# Allegro board 8880F5-0823_1_redwan.brd (continued)
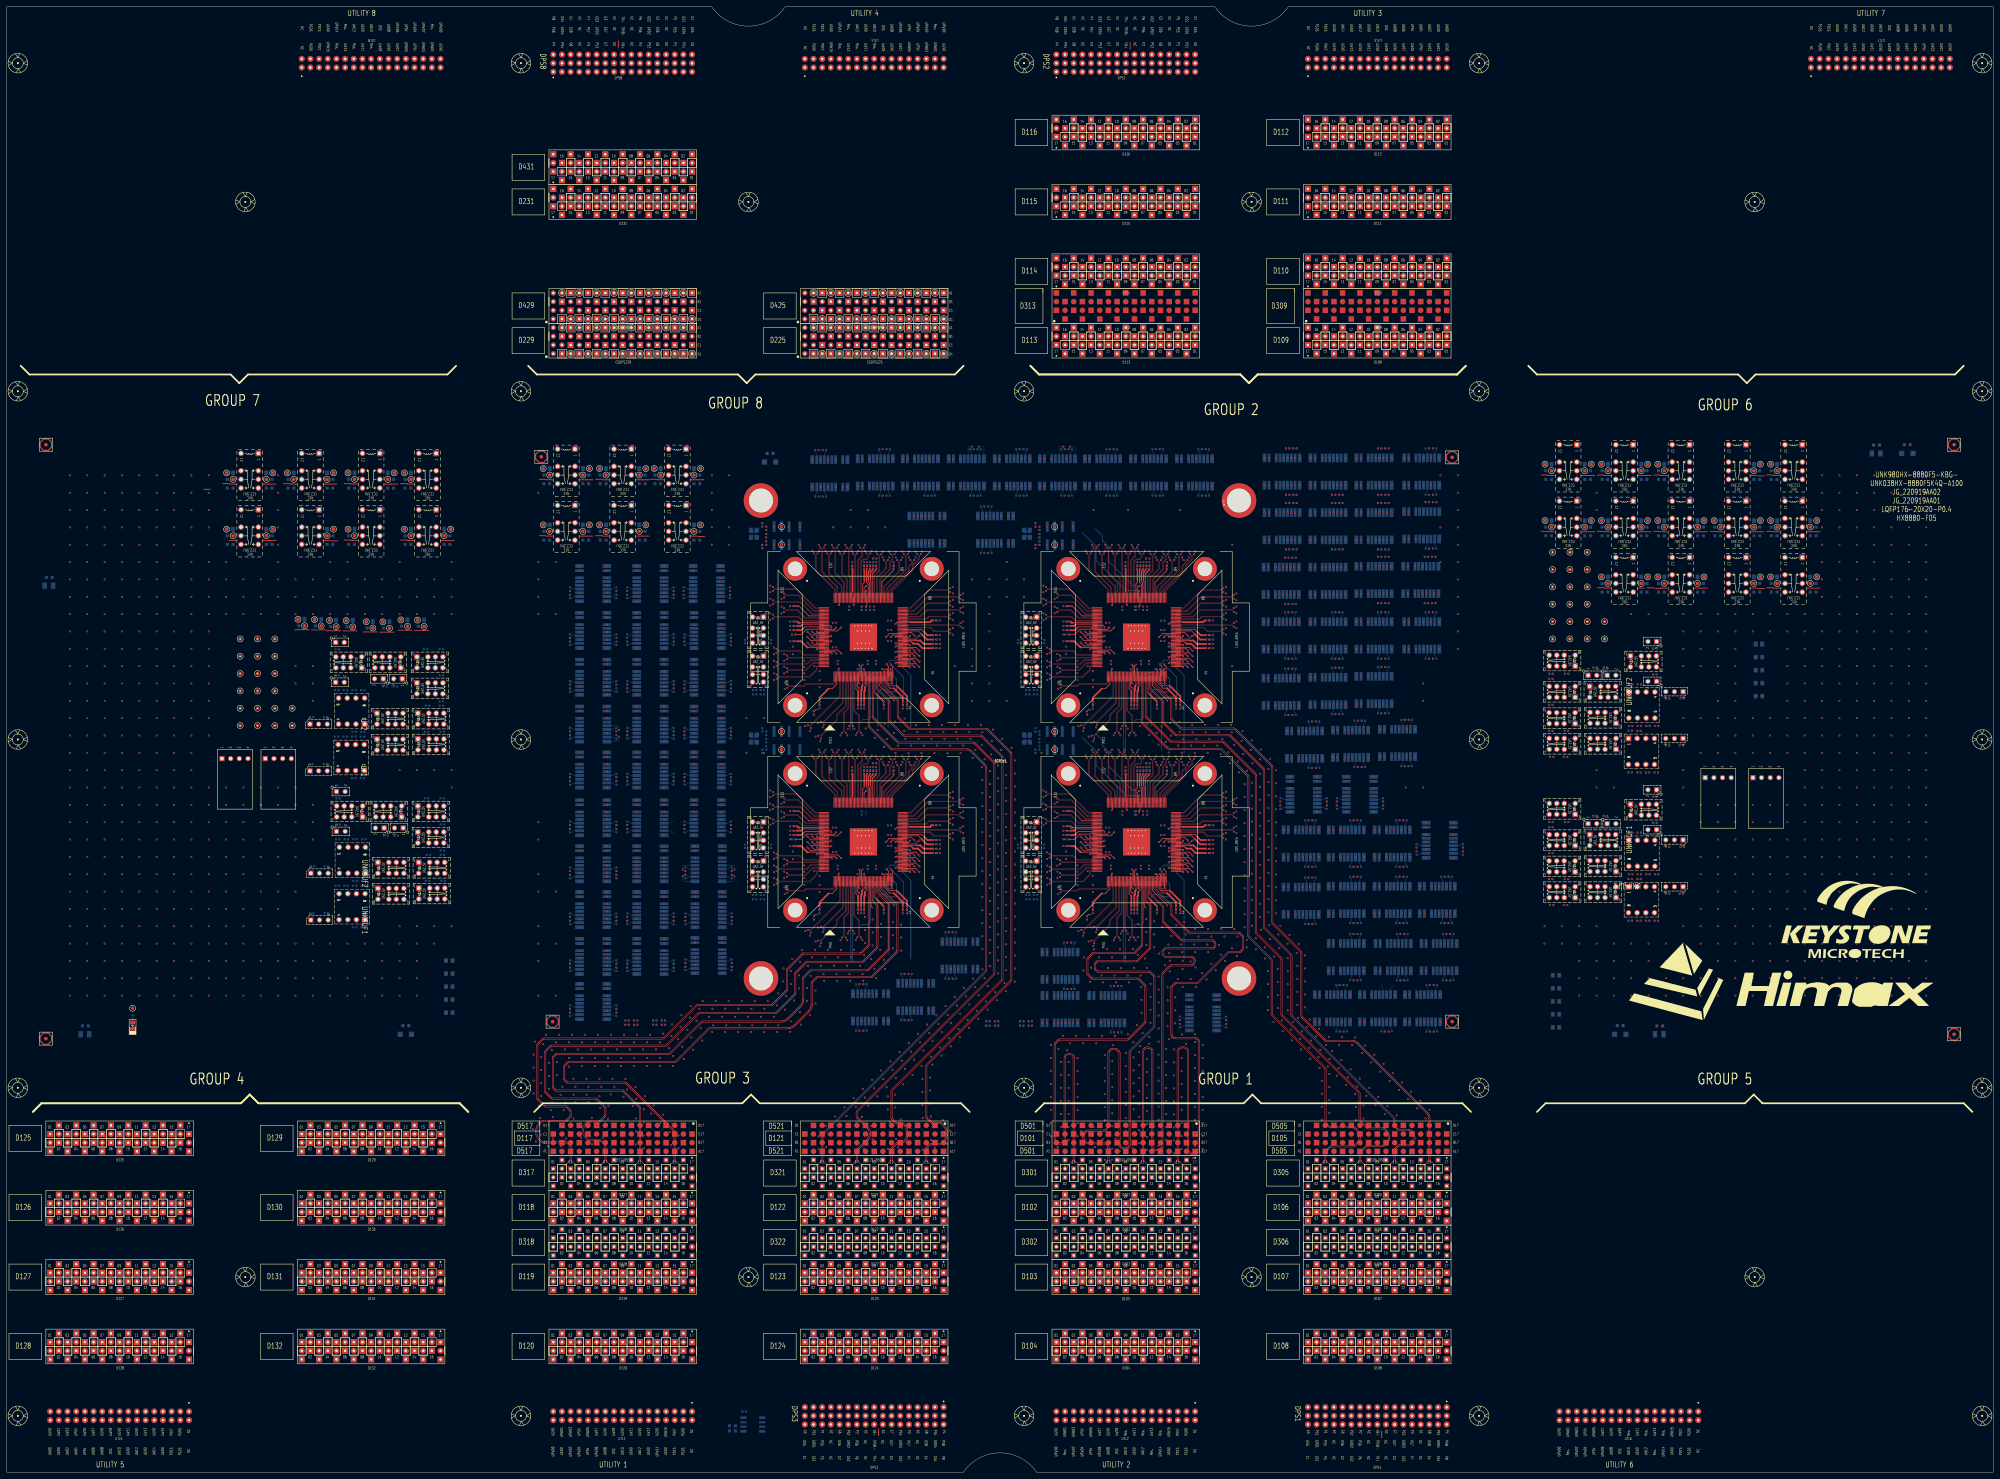
[diagram p0: board, top side]
## Placement (name value [footprint] x y rotation side) (continued)
FD8  -  [FD_040_V2]  156.51 297.46 180 bottom
FD9  -  [FD_040_V2]  570.23 128.27 180 bottom
FD10  -  [FD_040_V2]  570.23 300.99 0 top
FD11  -  [FD_040_V2]  570.23 300.99 180 bottom
FD12  -  [FD_040_V2]  11.43 300.99 0 top
FD13  -  [FD_040_V2]  11.43 300.99 180 bottom
FD14  -  [FD_040_V2]  11.43 127 0 top
FD15  -  [FD_040_V2]  11.43 127 180 bottom
FD16  -  [FD_040_V2]  570.23 128.27 0 top
GND1  TP01  [TP_040_T]  173.57 294 0 top
GND2  TP01  [TP_040_T]  187.11 294 180 top
GND3  TP01  [TP_040_T]  116.42 292.74 0 top
GND4  TP01  [TP_040_T]  157.06 294 0 top
GND5  TP01  [TP_040_T]  170.6 294 180 top
GND6  TP01  [TP_040_T]  173.57 277.5 0 top
GND7  TP01  [TP_040_T]  203.11 294 180 top
GND8  TP01  [TP_040_T]  189.58 294 0 top
GND9  TP01  [TP_040_T]  170.6 277.5 180 top
GND10  TP01  [TP_040_T]  99.36 249.46 0 top
GND11  TP01  [TP_040_T]  94.49 249.52 0 top
GND12  TP01  [TP_040_T]  203.11 277.5 180 top
GND13  TP01  [TP_040_T]  187.11 277.5 180 top
GND14  TP01  [TP_040_T]  157.06 277.5 0 top
HX8880-F05  REF-CODE-CHIP  [CHIP_CODE]  559.05 279.65 0 top
J1  HDR-2X1-M  [JP_2P_100]  110.24 232.41 270 bottom
J2  HDR-3X1-M  [JP_3P_100]  88.76 205.43 90 bottom
J3  HDR-3X1-M  [JP_3P_100]  88.76 219.15 90 bottom
J4  HDR-2X1-M  [JP_2P_100]  96.27 231.39 90 bottom
J5  HDR-2X1-M  [JP_2P_100]  96.27 243.08 90 bottom
JG_220919AA01  REF-CODE-SOCKET  [SOCKET_CODE]  559.05 284.73 0 top
JG_220919AA02  REF-CODE-SOCKET  [SOCKET_CODE]  559.05 287.27 0 top
K1  G6K-2F-RF-T-5V-SPECIAL  [RL_G6K2FRT_8P_5V_GR]  171.7 219.2 270 bottom
K2  G6K-2F-RF-T-5V-SPECIAL  [RL_G6K2FRT_8P_5V_GR]  205.23 232.92 270 bottom
K3  G6K-2F-RF-T-5V-SPECIAL  [RL_G6K2FRT_8P_5V_GR]  294.39 292.86 0 bottom
K4  G6K-2F-RF-T-5V-SPECIAL  [RL_G6K2FRT_8P_5V_GR]  307.59 292.86 0 bottom
K5  G6K-2F-RF-T-5V-SPECIAL  [RL_G6K2FRT_8P_5V_GR]  347.73 292.86 0 bottom
K6  G6K-2F-RF-T-5V-SPECIAL  [RL_G6K2FRT_8P_5V_GR]  334.26 292.86 0 bottom
K7  G6K-2F-RF-T-5V-SPECIAL  [RL_G6K2FRT_8P_5V_GR]  320.8 292.86 0 bottom
K8  G6K-2F-RF-T-5V-SPECIAL  [RL_G6K2FRT_8P_5V_GR]  267.46 292.86 0 bottom
K9  UA2-5NJ-A-V3  [RL_NECUA2_5V_V3]  219.96 235.46 90 bottom
K10  UA2-5NJ-A-V3  [RL_NECUA2_5V_V3]  111.76 237.24 0 bottom
K11  G6K-2F-RF-T-5V-SPECIAL  [RL_G6K2FRT_8P_5V_GR]  289.56 276.1 180 bottom
K12  UA2-5NJ-A-V3  [RL_NECUA2_5V_V3]  219.96 246.89 90 bottom
K13  UA2-5NJ-A-V3  [RL_NECUA2_5V_V3]  123.7 229.62 180 bottom
K14  UA2-5NJ-A-V3  [RL_NECUA2_5V_V3]  112.01 220.73 180 bottom
K15  UA2-5NJ-A-V3  [RL_NECUA2_5V_V3]  123.99 213.19 180 bottom
K16  G6K-2F-RF-T-5V-SPECIAL  [RL_G6K2FRT_8P_5V_GR]  241.05 292.61 180 bottom
K17  G6K-2F-RF-T-5V-SPECIAL  [RL_G6K2FRT_8P_5V_GR]  254.25 292.86 0 bottom
K18  UB2-5NU-B  [RL_NECUB2_5V]  228.45 274.32 0 bottom
K19  UA2-5NJ-A-V3  [RL_NECUA2_5V_V3]  112.01 213.11 180 bottom
K20  UA2-5NJ-A-V3  [RL_NECUA2_5V_V3]  123.95 220.73 180 bottom
K21  G6K-2F-RF-T-5V-SPECIAL  [RL_G6K2FRT_8P_5V_GR]  280.92 292.86 0 bottom
K22  G6K-2F-RF-T-5V-SPECIAL  [RL_G6K2FRT_8P_5V_GR]  205.23 246.63 270 bottom
K23  G6K-2F-RF-T-5V-SPECIAL  [RL_G6K2FRT_8P_5V_GR]  188.47 232.92 270 bottom
K24  G6K-2F-RF-T-5V-SPECIAL  [RL_G6K2FRT_8P_5V_GR]  171.7 232.92 270 bottom
K25  G6K-2F-RF-T-5V-SPECIAL  [RL_G6K2FRT_8P_5V_GR]  204.98 260.35 270 bottom
K26  G6K-2F-RF-T-5V-SPECIAL  [RL_G6K2FRT_8P_5V_GR]  188.47 246.63 270 bottom
K27  G6K-2F-RF-T-5V-SPECIAL  [RL_G6K2FRT_8P_5V_GR]  171.7 246.63 270 bottom
K28  UA2-5NJ-A-V3  [RL_NECUA2_5V_V3]  100.33 237.24 0 bottom
K29  G6K-2F-RF-T-5V-SPECIAL  [RL_G6K2FRT_8P_5V_GR]  171.7 260.35 270 bottom
K30  G6K-2F-RF-T-5V-SPECIAL  [RL_G6K2FRT_8P_5V_GR]  188.47 260.35 270 bottom
K31  EC2-5NJ-A  [RL_NECEC2_10P_5V]  196.34 276.86 90 bottom
K33  NC/UA2-5NJ-A-V3  [RL_NECUA2_5V_V3]  123.7 237.24 180 bottom
K34  EC2-5NJ-A  [RL_NECEC2_10P_5V]  180.34 293.37 90 bottom
K36  EC2-5NJ-A  [RL_NECEC2_10P_5V]  123.19 292.1 90 bottom
K37  EC2-5NJ-A  [RL_NECEC2_10P_5V]  163.83 293.37 90 bottom
K39  EC2-5NJ-A  [RL_NECEC2_10P_5V]  180.34 276.86 90 bottom
K40  EC2-5NJ-A  [RL_NECEC2_10P_5V]  196.34 293.37 90 bottom
K42  EC2-5NJ-A  [RL_NECEC2_10P_5V]  163.83 276.86 90 bottom
K43  G6K-2F-RF-T-5V-SPECIAL  [RL_G6K2FRT_8P_5V_GR]  269.49 276.1 180 bottom
LD902  LDG-2-S8  [LED_0805]  36.83 130.81 90 top
LOGO1  -  [LOGO_KT_KSMT]  538.48 154.94 0 top
LOGO2  LOGO_HX_Himax  [LOGO_HX_HIMAX]  518.16 138.43 0 top
LQFP176-20X20-P0.4  REF-CODE-CHIP  [CHIP_CODE]  559.05 282.19 0 top
NOREF  -  []  254.29 265.56 90 top
NOREF#2  -  []  410.52 273.37 0 top
NOREF#3  -  []  300.36 188.49 0 top
NOREF#4  -  []  327.57 204.65 90 top
NOREF#5  -  []  326.17 131.69 90 top
NOREF#6  -  []  237.83 197.63 0 top
NOREF#7  -  []  331.22 253.63 0 top
NOREF#8  -  []  462.06 277.31 90 top
NOREF#9  -  []  384.36 131.89 0 top
NOREF#10  -  []  165.8 131.57 90 top
NOREF#11  -  []  261.82 290.13 90 top
NOREF#12  -  []  346.27 129.42 90 top
NOREF#13  -  []  165.8 240.28 0 top
NOREF#14  -  []  351.34 189.5 0 top
NOREF#15  -  []  250.73 205.55 0 top
NOREF#16  -  []  475.04 239.09 0 top
NOREF#17  -  []  106.03 217.88 90 top
NOREF#18  -  []  351.04 244.23 0 top
NOREF#19  -  []  308.36 202.16 45 top
NOREF#20  -  []  477.24 239.09 0 top
NOREF#21  -  []  251.86 192.43 90 top
NOREF#22  -  []  385.93 178.25 0 top
NOREF#23  -  []  398.65 241.11 0 top
NOREF#24  -  []  327.89 204.35 90 top
NOREF#25  -  []  249.15 296.86 0 top
NOREF#26  -  []  230.73 189.2 0 top
NOREF#27  -  []  249.6 224.74 90 top
NOREF#28  -  []  301.56 250.49 0 top
NOREF#29  -  []  175.8 174.36 90 top
NOREF#30  -  []  256.77 163.82 90 top
NOREF#31  -  []  175.7 250.38 90 top
NOREF#32  -  []  415.08 139.89 0 top
NOREF#33  -  []  552.76 299.72 0 top
NOREF#34  -  []  167.7 255.15 0 top
NOREF#35  -  []  108.27 178.64 0 top
NOREF#36  -  []  418.37 241.16 90 top
NOREF#37  -  []  310.43 249.52 0 top
NOREF#38  -  []  339.65 264.65 90 top
NOREF#39  -  []  168.13 132.17 90 top
NOREF#40  -  []  184.47 145.93 0 top
NOREF#41  -  []  184.47 173.11 90 top
NOREF#42  -  []  251.05 204.65 90 top
NOREF#43  -  []  192.47 257.6 90 top
NOREF#44  -  []  155.57 272.6 90 top
NOREF#45  -  []  333.33 181.33 90 top
NOREF#46  -  []  221.56 231.46 0 top
NOREF#47  -  []  309.21 246.34 0 top
NOREF#48  -  []  351.34 183.91 0 top
NOREF#49  -  []  318.32 131.64 0 top
NOREF#50  -  []  377.23 289.12 0 top
NOREF#51  -  []  272.25 242.96 0 top
NOREF#52  -  []  404.15 241.11 0 top
NOREF#53  -  []  319.15 296.86 0 top
NOREF#54  -  []  96.58 195.15 0 top
NOREF#55  -  []  201.49 176.66 90 top
NOREF#56  -  []  251.06 163.82 90 top
NOREF#57  -  []  128.05 271.33 90 top
NOREF#58  -  []  177.33 133.47 90 top
NOREF#59  -  []  238.3 224.74 90 top
NOREF#60  -  []  301.56 239.06 0 top
NOREF#61  -  []  405.17 131.89 0 top
NOREF#62  -  []  258.1 288.86 0 top
NOREF#63  -  []  384.17 163.39 90 top
NOREF#64  -  []  392.04 224.85 90 top
NOREF#65  -  []  408.37 258.64 90 top
NOREF#66  -  []  407.77 255.47 0 top
NOREF#67  -  []  393.19 222.95 90 top
NOREF#68  -  []  36.1 129.71 90 top
NOREF#69  -  []  230.73 187.93 0 top
NOREF#70  -  []  113.08 129.54 0 top
NOREF#71  -  []  396.28 146.93 90 top
NOREF#72  -  []  322.23 233.13 0 top
NOREF#73  -  []  221.87 295.91 0 top
NOREF#74  -  []  373.83 192.28 0 top
NOREF#75  -  []  84.04 287.84 90 top
NOREF#76  -  []  272.55 181.37 0 top
NOREF#77  -  []  182.57 212.85 90 top
NOREF#78  -  []  400.91 207.71 0 top
NOREF#79  -  []  334.29 265.55 0 top
NOREF#80  -  []  290.11 280.1 0 top
NOREF#81  -  []  405.5 241.11 90 top
NOREF#82  -  []  199.33 185.42 90 top
NOREF#83  -  []  371.48 224.6 0 top
NOREF#84  -  []  332.51 205.55 0 top
NOREF#85  -  []  302.71 132.91 90 top
NOREF#86  -  []  459.28 236.14 0 top
NOREF#87  -  []  468.01 222.58 0 top
NOREF#88  -  []  182.57 240.28 90 top
NOREF#89  -  []  373.93 281.11 0 top
NOREF#90  -  []  201.49 149.73 90 top
NOREF#91  -  []  250.17 163.82 90 top
NOREF#92  -  []  309.51 249.2 0 top
NOREF#93  -  []  115.36 235.64 0 top
NOREF#94  -  []  249.28 165.04 90 top
NOREF#95  -  []  352.24 184.86 90 top
NOREF#96  -  []  352.55 189.5 0 top
NOREF#97  -  []  481.96 273.87 90 top
NOREF#98  -  []  275.3 155.38 0 top
NOREF#99  -  []  412.62 241.11 0 top
NOREF#100  -  []  332.61 288.86 0 top
NOREF#101  -  []  393.19 271.21 90 top
NOREF#102  -  []  116.01 222.33 0 top
NOREF#103  -  []  321.82 227.13 90 top
NOREF#104  -  []  330.51 288.86 0 top
NOREF#105  -  []  385.32 161.49 90 top
NOREF#106  -  []  297.83 174.63 90 top
NOREF#107  -  []  465.81 171.53 0 top
NOREF#108  -  []  398.53 161.74 90 top
NOREF#109  -  []  372.72 178.25 0 top
NOREF#110  -  []  369.63 273.11 0 top
NOREF#111  -  []  416.03 179.42 90 top
NOREF#112  -  []  182.82 148.4 90 top
NOREF#113  -  []  292.74 288.86 0 top
NOREF#114  -  []  128.05 273.87 90 top
NOREF#115  -  []  119.95 195.15 0 top
NOREF#116  -  []  272.25 249.18 90 top
NOREF#117  -  []  290.64 288.86 0 top
NOREF#118  -  []  167.7 145.93 90 top
NOREF#119  -  []  415.61 185.72 90 top
NOREF#120  -  []  172.08 272.6 90 top
NOREF#121  -  []  339.46 288.86 90 top
NOREF#122  -  []  260.99 143.19 0 top
NOREF#123  -  []  201.49 173.11 0 top
NOREF#124  -  []  310.43 248.88 90 top
NOREF#125  -  []  266.74 143.19 0 top
NOREF#126  -  []  271.34 182.64 0 top
NOREF#127  -  []  381.74 281.11 0 top
NOREF#128  -  []  471.21 219.38 0 top
NOREF#129  -  []  339.65 265.86 90 top
NOREF#130  -  []  351.34 249.5 0 top
NOREF#131  -  []  201.49 159.65 90 top
NOREF#132  -  []  184.47 247.18 90 top
NOREF#133  -  []  355.89 130.17 90 top
NOREF#134  -  []  343.31 164.74 0 top
NOREF#135  -  []  379 272.56 90 top
NOREF#136  -  []  425.2 161.74 90 top
NOREF#137  -  []  310.43 193.37 90 top
NOREF#138  -  []  215.96 248.49 0 top
NOREF#139  -  []  239.33 243.63 90 top
NOREF#140  -  []  184.47 165.4 90 top
NOREF#141  -  []  396.55 273.11 0 top
NOREF#142  -  []  410.52 241.11 0 top
NOREF#143  -  []  453.88 195.91 0 top
NOREF#144  -  []  378.33 217.11 0 top
NOREF#145  -  []  390.94 257.16 90 top
NOREF#146  -  []  105.58 234.24 90 top
NOREF#147  -  []  378.75 240.56 90 top
NOREF#148  -  []  314.55 286.96 0 top
NOREF#149  -  []  463.61 222.58 0 top
NOREF#150  -  []  273.24 272.1 0 top
NOREF#151  -  []  465.45 290.38 90 top
NOREF#152  -  []  267.84 280.1 0 top
NOREF#153  -  []  398.53 178.25 90 top
NOREF#154  -  []  303.84 288.86 0 top
NOREF#155  -  []  385.93 144.98 0 top
NOREF#156  -  []  472.86 210.36 90 top
NOREF#157  -  []  331.05 204.65 90 top
NOREF#158  -  []  409.43 139.89 0 top
NOREF#159  -  []  388.43 163.64 0 top
NOREF#160  -  []  271.34 249.5 0 top
NOREF#161  -  []  418.37 273.42 90 top
NOREF#162  -  []  112.41 214.71 0 top
NOREF#163  -  []  332.51 264.35 90 top
NOREF#164  -  []  317.83 197.63 0 top
NOREF#165  -  []  326 288.86 90 top
NOREF#166  -  []  367.13 271.21 0 top
NOREF#167  -  []  201.23 227.72 0 top
NOREF#168  -  []  373.73 207.21 0 top
NOREF#169  -  []  400.54 171.64 0 top
NOREF#170  -  []  184.89 254.6 90 top
NOREF#171  -  []  297.83 234.63 90 top
NOREF#172  -  []  330.73 205.55 0 top
NOREF#173  -  []  333.4 205.56 0 top
NOREF#174  -  []  399.8 207.46 90 top
NOREF#175  -  []  209.23 216.45 90 top
NOREF#176  -  []  407.71 217.61 0 top
NOREF#177  -  []  232.25 271.67 90 top
NOREF#178  -  []  310.73 187.93 0 top
NOREF#179  -  []  112.16 238.84 0 top
NOREF#180  -  []  192.47 243.88 90 top
NOREF#181  -  []  259.65 264.65 90 top
NOREF#182  -  []  343.63 163.82 90 top
NOREF#183  -  []  230.41 183.09 90 top
NOREF#184  -  []  297.41 213.24 90 top
NOREF#185  -  []  199.33 240.28 0 top
NOREF#186  -  []  451.68 230.2 0 top
NOREF#187  -  []  390.94 224.9 90 top
NOREF#188  -  []  404.4 289.17 90 top
NOREF#189  -  []  371.48 249.11 0 top
NOREF#190  -  []  272.25 241.05 90 top
NOREF#191  -  []  402.14 146.88 0 top
NOREF#192  -  []  339.33 204.35 90 top
NOREF#193  -  []  194.09 255.9 90 top
NOREF#194  -  []  289.29 296.86 0 top
NOREF#195  -  []  459.24 219.3 0 top
NOREF#196  -  []  343.98 288.86 0 top
NOREF#197  -  []  309.05 211.67 0 top
NOREF#198  -  []  110.47 178.64 0 top
NOREF#199  -  []  184.47 247.18 90 top
NOREF#200  -  []  229.51 193.69 0 top
NOREF#201  -  []  201.4 254.6 90 top
NOREF#202  -  []  302.11 129.74 0 top
NOREF#203  -  []  127.81 175.44 90 top
NOREF#204  -  []  272.55 189.5 0 top
NOREF#205  -  []  165.8 185.42 90 top
NOREF#206  -  []  168.69 292.55 90 top
NOREF#207  -  []  309.51 187.93 0 top
NOREF#208  -  []  390.94 289.17 90 top
NOREF#209  -  []  367.13 287.22 0 top
NOREF#210  -  []  217.83 174.63 90 top
NOREF#211  -  []  378.75 256.56 90 top
NOREF#212  -  []  460.93 234.74 90 top
NOREF#213  -  []  417.7 154.88 0 top
NOREF#214  -  []  271.34 249.5 0 top
NOREF#215  -  []  424.05 163.64 90 top
NOREF#216  -  []  107.02 179.19 0 top
NOREF#217  -  []  328.96 224.72 0 top
NOREF#218  -  []  250.73 265.56 90 top
NOREF#219  -  []  295.96 248.49 0 top
NOREF#220  -  []  378.33 241.11 90 top
NOREF#221  -  []  309.51 253.69 0 top
NOREF#222  -  []  295.96 248.49 0 top
NOREF#223  -  []  451.68 171.53 0 top
NOREF#224  -  []  106.76 222.88 0 top
NOREF#225  -  []  286.55 288.31 90 top
NOREF#226  -  []  115.19 128.27 0 top
NOREF#227  -  []  201.49 146.18 0 top
NOREF#228  -  []  167.7 215.35 90 top
NOREF#229  -  []  272.24 189.18 90 top
NOREF#230  -  []  373.87 171.39 0 top
NOREF#231  -  []  272.55 241.37 0 top
NOREF#232  -  []  210.86 242.18 90 top
NOREF#233  -  []  248.96 224.72 0 top
NOREF#234  -  []  459.28 192.71 0 top
NOREF#235  -  []  318.32 131.64 0 top
NOREF#236  -  []  310.43 243.09 0 top
NOREF#237  -  []  262.04 164.72 0 top
NOREF#238  -  []  256.45 164.74 0 top
NOREF#239  -  []  241.82 227.13 90 top
NOREF#240  -  []  175.8 133.97 90 top
NOREF#241  -  []  460.93 182.17 90 top
NOREF#242  -  []  423.61 188.92 90 top
NOREF#243  -  []  101.82 287.84 90 top
NOREF#244  -  []  258.35 288.91 90 top
NOREF#245  -  []  110.21 195.15 0 top
NOREF#246  -  []  263.14 282 0 top
NOREF#247  -  []  419.65 256.92 90 top
NOREF#248  -  []  312.21 131.64 0 top
NOREF#249  -  []  409.99 146.93 90 top
NOREF#250  -  []  265.64 280.1 0 top
NOREF#251  -  []  251.86 252.43 90 top
NOREF#252  -  []  106.29 174.19 90 top
NOREF#253  -  []  182.57 212.85 0 top
NOREF#254  -  []  124.35 222.33 0 top
NOREF#255  -  []  230.43 253.37 90 top
NOREF#256  -  []  366.88 239.21 0 top
NOREF#257  -  []  259.65 204.65 90 top
NOREF#258  -  []  366.88 222.7 0 top
NOREF#259  -  []  381.2 290.39 90 top
NOREF#260  -  []  327.25 265.55 0 top
NOREF#261  -  []  250.5 288.86 0 top
NOREF#262  -  []  327.57 205.86 90 top
NOREF#263  -  []  66.26 271.33 90 top
NOREF#264  -  []  483.17 130.26 90 top
NOREF#265  -  []  66.26 273.87 90 top
NOREF#266  -  []  182.57 185.42 90 top
NOREF#267  -  []  327.25 205.56 0 top
NOREF#268  -  []  247.25 205.56 0 top
NOREF#269  -  []  413.71 148.15 90 top
NOREF#270  -  []  175.8 256.4 90 top
NOREF#271  -  []  333.72 205.86 90 top
NOREF#272  -  []  406.65 239.21 90 top
NOREF#273  -  []  247.25 205.55 0 top
NOREF#274  -  []  258.61 131.69 90 top
NOREF#275  -  []  230.73 246.66 0 top
NOREF#276  -  []  230.43 248.88 90 top
NOREF#277  -  []  168.13 159.1 90 top
NOREF#278  -  []  423.61 184.62 90 top
NOREF#279  -  []  352.25 241.05 90 top
NOREF#280  -  []  308.36 262.16 45 top
NOREF#281  -  []  247.57 204.65 90 top
NOREF#282  -  []  209.23 191.22 90 top
NOREF#283  -  []  249.28 225.04 90 top
NOREF#284  -  []  127.55 191.95 90 top
NOREF#285  -  []  453.88 186.77 0 top
NOREF#286  -  []  263.95 163.52 90 top
NOREF#287  -  []  185.2 276.04 90 top
NOREF#288  -  []  268.01 296.86 0 top
NOREF#289  -  []  392.73 171.64 0 top
NOREF#290  -  []  390.94 241.16 90 top
NOREF#291  -  []  379.73 287.22 90 top
NOREF#292  -  []  449.99 217.9 0 top
NOREF#293  -  []  340.83 174.63 90 top
NOREF#294  -  []  271.04 244.23 0 top
NOREF#295  -  []  471.21 175.95 90 top
NOREF#296  -  []  230.43 194.01 0 top
NOREF#297  -  []  331.05 265.86 90 top
NOREF#298  -  []  184.47 229.07 90 top
NOREF#299  -  []  185.2 292.55 90 top
NOREF#300  -  []  209.49 168.6 90 top
NOREF#301  -  []  124.35 187.53 0 top
NOREF#302  -  []  175.7 135.17 90 top
NOREF#303  -  []  230.43 248.88 90 top
NOREF#304  -  []  346.27 130.77 90 top
NOREF#305  -  []  298.13 214.06 90 top
NOREF#306  -  []  316.43 132.91 90 top
NOREF#307  -  []  259.33 264.35 90 top
NOREF#308  -  []  118.45 231.77 0 top
NOREF#309  -  []  406.95 131.44 90 top
NOREF#310  -  []  473.79 239.64 0 top
NOREF#311  -  []  456.08 171.53 0 top
NOREF#312  -  []  385.19 249.11 0 top
NOREF#313  -  []  184.47 186.57 0 top
NOREF#314  -  []  201.49 174.46 90 top
NOREF#315  -  []  334.29 265.56 90 top
NOREF#316  -  []  284.77 146.93 90 top
NOREF#317  -  []  377.32 180.15 0 top
NOREF#318  -  []  320.94 211.63 90 top
NOREF#319  -  []  253.33 241.33 90 top
NOREF#320  -  []  301.56 231.46 0 top
NOREF#321  -  []  209.08 256.4 90 top
NOREF#322  -  []  184.47 260.9 90 top
NOREF#323  -  []  408.02 287.22 0 top
NOREF#324  -  []  168.69 273.5 90 top
NOREF#325  -  []  166.06 230.19 90 top
NOREF#326  -  []  167.7 178.86 90 top
NOREF#327  -  []  167.7 260.9 90 top
NOREF#328  -  []  471.11 230.2 0 top
NOREF#329  -  []  404.24 154.88 0 top
NOREF#330  -  []  399.99 164.91 90 top
NOREF#331  -  []  272.24 182.32 90 top
NOREF#332  -  []  259.33 204.35 90 top
NOREF#333  -  []  369.38 257.11 0 top
NOREF#334  -  []  83.77 247.51 90 top
NOREF#335  -  []  115.87 175.44 90 top
NOREF#336  -  []  229.51 246.66 0 top
NOREF#337  -  []  199.33 199.39 90 top
NOREF#338  -  []  392.04 273.11 90 top
NOREF#339  -  []  266.74 143.19 0 top
NOREF#340  -  []  340.83 234.63 90 top
NOREF#341  -  []  199.33 199.39 0 top
NOREF#342  -  []  167.7 134.07 90 top
NOREF#343  -  []  392.47 256.66 90 top
NOREF#344  -  []  468.85 257.36 90 top
NOREF#345  -  []  352.55 242.64 0 top
NOREF#346  -  []  310.41 246.34 90 top
NOREF#347  -  []  263.44 135.19 0 top
NOREF#348  -  []  390.53 188.15 0 top
NOREF#349  -  []  172.08 275.14 90 top
NOREF#350  -  []  155.57 275.14 90 top
NOREF#351  -  []  167.7 255.15 90 top
NOREF#352  -  []  224.65 211.67 0 top
NOREF#353  -  []  175.7 222.95 90 top
NOREF#354  -  []  108.01 222.33 0 top
NOREF#355  -  []  450.03 191.31 0 top
NOREF#356  -  []  408.92 265.37 0 top
NOREF#357  -  []  450.03 166.93 0 top
NOREF#358  -  []  310.43 188.88 0 top
NOREF#359  -  []  396.55 257.37 0 top
NOREF#360  -  []  408.63 242.38 90 top
NOREF#361  -  []  388.43 146.88 0 top
NOREF#362  -  []  407.67 129.99 90 top
NOREF#363  -  []  172.08 291.65 90 top
NOREF#364  -  []  351.04 241.69 0 top
NOREF#365  -  []  175.7 154.88 90 top
NOREF#366  -  []  415.61 183.52 90 top
NOREF#367  -  []  406.44 154.88 0 top
NOREF#368  -  []  298.16 237.06 0 top
NOREF#369  -  []  366.88 255.21 0 top
NOREF#370  -  []  298.13 274.06 0 top
NOREF#371  -  []  250.49 163.52 90 top
NOREF#372  -  []  201.91 172.56 90 top
NOREF#373  -  []  460.93 225.6 90 top
NOREF#374  -  []  397.8 146.33 90 top
NOREF#375  -  []  124.1 238.84 0 top
NOREF#376  -  []  283.21 282 0 top
NOREF#377  -  []  250.17 225.04 90 top
NOREF#378  -  []  182.57 254 90 top
NOREF#379  -  []  301.95 290.13 90 top
NOREF#380  -  []  263.95 164.74 90 top
NOREF#381  -  []  397.8 179.6 90 top
NOREF#382  -  []  230.43 187.61 90 top
NOREF#383  -  []  303.84 288.86 0 top
NOREF#384  -  []  387.8 210.63 90 top
NOREF#385  -  []  383.09 241.11 0 top
NOREF#386  -  []  262.68 164.74 90 top
NOREF#387  -  []  219.76 297.18 0 top
NOREF#388  -  []  235.4 289.88 90 top
NOREF#389  -  []  305.94 288.86 0 top
NOREF#390  -  []  337.09 223.52 90 top
NOREF#391  -  []  326.23 233.13 0 top
NOREF#392  -  []  402.14 146.88 0 top
NOREF#393  -  []  310.43 187.61 90 top
NOREF#394  -  []  383.07 180.2 90 top
NOREF#395  -  []  250.73 265.56 0 top
NOREF#396  -  []  106.76 210.11 90 top
NOREF#397  -  []  333.72 265.86 90 top
NOREF#398  -  []  225.83 264.31 0 top
NOREF#399  -  []  409.74 180.2 90 top
NOREF#400  -  []  450.03 234.74 0 top
NOREF#401  -  []  459.28 211.76 90 top
NOREF#402  -  []  215.96 237.06 0 top
NOREF#403  -  []  251.06 225.04 90 top
NOREF#404  -  []  326.43 288.31 90 top
NOREF#405  -  []  218.16 188.49 0 top
NOREF#406  -  []  184.89 186.02 90 top
NOREF#407  -  []  424.98 146.33 90 top
NOREF#408  -  []  314.71 129.74 90 top
NOREF#409  -  []  351.04 249.82 0 top
NOREF#410  -  []  273.95 147.38 90 top
NOREF#411  -  []  319.33 236.03 90 top
NOREF#412  -  []  299.59 288.86 90 top
NOREF#413  -  []  36.1 131.91 0 top
NOREF#414  -  []  383.07 163.44 90 top
NOREF#415  -  []  394.05 287.22 0 top
NOREF#416  -  []  200.98 255.15 90 top
NOREF#417  -  []  251.54 252.73 90 top
NOREF#418  -  []  264.72 272.65 90 top
NOREF#419  -  []  201.23 186.57 0 top
NOREF#420  -  []  317.66 164.74 0 top
NOREF#421  -  []  339.33 205.55 0 top
NOREF#422  -  []  400.25 148.15 90 top
NOREF#423  -  []  396.55 273.11 0 top
NOREF#424  -  []  339.65 264.65 90 top
NOREF#425  -  []  404.15 289.12 0 top
NOREF#426  -  []  201.23 233.47 90 top
NOREF#427  -  []  346.27 135.17 90 top
NOREF#428  -  []  475.36 127 90 top
NOREF#429  -  []  409.74 146.88 0 top
NOREF#430  -  []  166.06 203.01 90 top
NOREF#431  -  []  166.06 175.58 90 top
NOREF#432  -  []  230.43 188.88 0 top
NOREF#433  -  []  259.88 288.41 90 top
NOREF#434  -  []  209.23 236.67 90 top
NOREF#435  -  []  182.57 158.5 90 top
NOREF#436  -  []  352.55 241.37 0 top
NOREF#437  -  []  201.23 214 0 top
NOREF#438  -  []  397.55 209.41 90 top
NOREF#439  -  []  249.85 164.74 0 top
NOREF#440  -  []  217.41 273.24 0 top
NOREF#441  -  []  237.98 225.04 90 top
NOREF#442  -  []  310.43 248.88 0 top
NOREF#443  -  []  182.82 216.47 90 top
NOREF#444  -  []  192.47 177.76 90 top
NOREF#445  -  []  229.51 249.2 0 top
NOREF#446  -  []  175.7 141.67 90 top
NOREF#447  -  []  257.09 164.74 90 top
NOREF#448  -  []  230.73 186.66 0 top
NOREF#449  -  []  182.57 144.78 90 top
NOREF#450  -  []  252.51 265.55 0 top
NOREF#451  -  []  218.13 214.06 90 top
NOREF#452  -  []  226.85 271.67 0 top
NOREF#453  -  []  184.89 145.38 90 top
NOREF#454  -  []  304.61 144.34 0 top
NOREF#455  -  []  518.38 259.9 90 top
NOREF#456  -  []  352.25 181.05 90 top
NOREF#457  -  []  331.06 165.04 90 top
NOREF#458  -  []  342.36 165.04 90 top
NOREF#459  -  []  84.04 290.38 90 top
NOREF#460  -  []  328.96 224.74 0 top
NOREF#461  -  []  460.89 217.9 90 top
NOREF#462  -  []  272.25 249.82 0 top
NOREF#463  -  []  329.6 163.52 90 top
NOREF#464  -  []  339.97 264.35 90 top
NOREF#465  -  []  341.63 233.83 90 top
NOREF#466  -  []  201.23 247.18 90 top
NOREF#467  -  []  199.59 171.96 0 top
NOREF#468  -  []  398.65 273.11 0 top
NOREF#469  -  []  112.05 246.78 90 top
NOREF#470  -  []  253.33 181.33 90 top
NOREF#471  -  []  314.33 168.13 90 top
NOREF#472  -  []  375.73 199.18 90 top
NOREF#473  -  []  412.37 265.37 0 top
NOREF#474  -  []  250.74 224.72 0 top
NOREF#475  -  []  336.77 165.04 90 top
NOREF#476  -  []  122.15 187.53 0 top
NOREF#477  -  []  230.43 246.34 0 top
NOREF#478  -  []  453.84 179.06 0 top
NOREF#479  -  []  167.7 192.32 90 top
NOREF#480  -  []  317.05 288.86 0 top
NOREF#481  -  []  327.27 131.64 90 top
NOREF#482  -  []  167.7 244.98 90 top
NOREF#483  -  []  311.15 159.63 90 top
NOREF#484  -  []  175.7 259.8 90 top
NOREF#485  -  []  330.51 288.86 0 top
NOREF#486  -  []  294.94 296.86 0 top
NOREF#487  -  []  380.59 271.21 0 top
NOREF#488  -  []  184.47 255.15 0 top
NOREF#489  -  []  253.72 204.65 90 top
NOREF#490  -  []  336.45 224.72 0 top
NOREF#491  -  []  228.36 262.16 45 top
NOREF#492  -  []  352.55 182.64 0 top
NOREF#493  -  []  310.43 183.09 0 top
NOREF#494  -  []  309.21 253.37 0 top
NOREF#495  -  []  424.98 146.43 90 top
NOREF#496  -  []  397.8 146.43 90 top
NOREF#497  -  []  303.56 245.29 90 top
NOREF#498  -  []  108.01 195.15 0 top
NOREF#499  -  []  94.68 234.24 0 top
NOREF#500  -  []  394.05 239.21 0 top
NOREF#501  -  []  317.83 257.63 0 top
NOREF#502  -  []  404.4 241.16 90 top
NOREF#503  -  []  218.13 274.06 90 top
NOREF#504  -  []  96.58 195.15 0 top
NOREF#505  -  []  334.61 265.86 90 top
NOREF#506  -  []  373.68 232.6 0 top
NOREF#507  -  []  397.8 179.7 90 top
NOREF#508  -  []  313.98 143.89 90 top
NOREF#509  -  []  327.25 264.35 90 top
NOREF#510  -  []  405.93 240.66 90 top
NOREF#511  -  []  118.74 210.19 90 top
NOREF#512  -  []  405.51 209.61 0 top
NOREF#513  -  []  387.39 281.11 0 top
NOREF#514  -  []  330.18 182.88 0 top
NOREF#515  -  []  346.08 296.86 0 top
NOREF#516  -  []  475.04 195.66 0 top
NOREF#517  -  []  182.57 226.57 0 top
NOREF#518  -  []  405.51 217.61 0 top
NOREF#519  -  []  185.2 290.01 90 top
NOREF#520  -  []  423.45 146.93 90 top
NOREF#521  -  []  223.56 185.29 90 top
NOREF#522  -  []  298.16 177.06 0 top
NOREF#523  -  []  451.64 179.06 0 top
NOREF#524  -  []  373.83 192.28 90 top
NOREF#525  -  []  463.61 179.15 0 top
NOREF#526  -  []  262.36 165.04 90 top
NOREF#527  -  []  201.23 219.75 90 top
NOREF#528  -  []  385.19 289.12 0 top
NOREF#529  -  []  234.7 286.71 90 top
NOREF#530  -  []  239.33 236.03 90 top
NOREF#531  -  []  451.64 179.06 0 top
NOREF#532  -  []  396.55 289.12 0 top
NOREF#533  -  []  418.38 131.89 0 top
NOREF#534  -  []  250.5 288.86 0 top
NOREF#535  -  []  306.27 216.63 90 top
NOREF#536  -  []  247.78 140.14 0 top
NOREF#537  -  []  390.53 163.64 0 top
NOREF#538  -  []  118.99 171.65 0 top
NOREF#539  -  []  107.76 238.84 0 top
NOREF#540  -  []  387.2 207.46 0 top
NOREF#541  -  []  414.82 249.11 0 top
NOREF#542  -  []  397.8 163.09 90 top
NOREF#543  -  []  423.61 182.42 90 top
NOREF#544  -  []  330.49 164.74 90 top
NOREF#545  -  []  194.09 242.18 90 top
NOREF#546  -  []  251.22 253.63 0 top
NOREF#547  -  []  116.27 171.02 0 top
NOREF#548  -  []  167.7 132.72 0 top
NOREF#549  -  []  465.81 222.58 0 top
NOREF#550  -  []  382.82 163.39 0 top
NOREF#551  -  []  424.55 146.88 90 top
NOREF#552  -  []  328.01 286.96 0 top
NOREF#553  -  []  343.95 163.52 90 top
NOREF#554  -  []  251.05 265.86 90 top
NOREF#555  -  []  237.98 165.04 90 top
NOREF#556  -  []  351.83 288.91 90 top
NOREF#557  -  []  376.23 209.11 0 top
NOREF#558  -  []  329.28 163.82 90 top
NOREF#559  -  []  247.57 205.86 90 top
NOREF#560  -  []  298.13 214.06 0 top
NOREF#561  -  []  309.21 183.09 0 top
NOREF#562  -  []  226.83 269.63 90 top
NOREF#563  -  []  400.85 297.12 0 top
NOREF#564  -  []  392.04 257.11 90 top
NOREF#565  -  []  251.62 265.56 0 top
NOREF#566  -  []  418.12 289.12 0 top
NOREF#567  -  []  310.41 183.09 90 top
NOREF#568  -  []  351.34 181.37 0 top
NOREF#569  -  []  459.28 168.33 90 top
NOREF#570  -  []  338.11 288.86 0 top
NOREF#571  -  []  290.11 280.1 0 top
NOREF#572  -  []  404.24 146.88 0 top
NOREF#573  -  []  342.36 163.82 90 top
NOREF#574  -  []  257.9 186.99 0 top
NOREF#575  -  []  252.51 205.56 0 top
NOREF#576  -  []  424.47 163.09 90 top
NOREF#577  -  []  257.08 132.19 90 top
NOREF#578  -  []  211.11 146.93 90 top
NOREF#579  -  []  475.04 239.09 0 top
NOREF#580  -  []  327.7 131.19 90 top
NOREF#581  -  []  192.57 160.9 90 top
NOREF#582  -  []  375.73 193.43 90 top
NOREF#583  -  []  254.61 264.65 90 top
NOREF#584  -  []  230.41 186.34 90 top
NOREF#585  -  []  412.24 144.98 90 top
NOREF#586  -  []  194.09 201.29 90 top
NOREF#587  -  []  167.7 219.75 90 top
NOREF#588  -  []  394.66 290.39 90 top
NOREF#589  -  []  258.2 246.67 0 top
NOREF#590  -  []  279.7 155.38 0 top
NOREF#591  -  []  306.85 271.67 0 top
NOREF#592  -  []  264.29 272.1 90 top
NOREF#593  -  []  378.75 240.66 90 top
NOREF#594  -  []  528.1 259.9 90 top
NOREF#595  -  []  257.9 186.35 90 top
NOREF#596  -  []  310.73 189.2 0 top
NOREF#597  -  []  453.88 171.53 0 top
NOREF#598  -  []  119.76 127 90 top
NOREF#599  -  []  396.03 146.88 0 top
NOREF#600  -  []  230.43 253.37 0 top
NOREF#601  -  []  383.09 289.12 0 top
NOREF#602  -  []  305.83 204.31 0 top
NOREF#603  -  []  451.68 186.77 0 top
NOREF#604  -  []  259.33 205.56 0 top
NOREF#605  -  []  338.2 186.67 0 top
NOREF#606  -  []  221.56 242.89 0 top
NOREF#607  -  []  313.94 286.96 90 top
NOREF#608  -  []  118.33 286.94 90 top
NOREF#609  -  []  184.47 192.32 90 top
NOREF#610  -  []  331.05 264.65 90 top
NOREF#611  -  []  303.26 152.34 0 top
NOREF#612  -  []  419.9 154.88 0 top
NOREF#613  -  []  272.25 243.59 90 top
NOREF#614  -  []  244.8 288.61 0 top
NOREF#615  -  []  177.33 173.86 90 top
NOREF#616  -  []  218.16 237.06 0 top
NOREF#617  -  []  175.7 177.76 90 top
NOREF#618  -  []  479.44 195.66 0 top
NOREF#619  -  []  412.62 249.11 0 top
NOREF#620  -  []  451.68 214.96 0 top
NOREF#621  -  []  332.51 205.56 0 top
NOREF#622  -  []  279.7 155.38 0 top
NOREF#623  -  []  224.65 271.67 0 top
NOREF#624  -  []  459.28 211.76 0 top
NOREF#625  -  []  175.7 148.38 90 top
NOREF#626  -  []  348.28 296.86 0 top
NOREF#627  -  []  263.31 224.74 0 top
NOREF#628  -  []  192.47 209.49 90 top
NOREF#629  -  []  201.21 292.55 90 top
NOREF#630  -  []  182.57 158.5 0 top
NOREF#631  -  []  394.05 255.47 0 top
NOREF#632  -  []  518.38 276.41 90 top
NOREF#633  -  []  306.71 131.64 0 top
NOREF#634  -  []  250.73 205.56 0 top
NOREF#635  -  []  400.54 188.15 0 top
NOREF#636  -  []  248.21 132.69 90 top
NOREF#637  -  []  415.61 185.72 90 top
NOREF#638  -  []  310.41 247.61 90 top
NOREF#639  -  []  279.27 288.86 0 top
NOREF#640  -  []  383.09 241.11 0 top
NOREF#641  -  []  485.36 292.02 90 top
NOREF#642  -  []  329.85 224.74 0 top
NOREF#643  -  []  310.43 254.01 0 top
NOREF#644  -  []  215.96 237.06 0 top
NOREF#645  -  []  327.15 286.96 90 top
NOREF#646  -  []  309.21 193.37 0 top
NOREF#647  -  []  328.96 164.74 0 top
NOREF#648  -  []  331.06 225.04 90 top
NOREF#649  -  []  378.75 256.66 90 top
NOREF#650  -  []  252.83 265.86 90 top
NOREF#651  -  []  559.43 297.18 90 top
NOREF#652  -  []  400.85 249.11 0 top
NOREF#653  -  []  272.55 249.5 0 top
NOREF#654  -  []  192.47 222.95 90 top
NOREF#655  -  []  310.73 189.2 0 top
NOREF#656  -  []  271.34 243.91 0 top
NOREF#657  -  []  331.94 264.65 90 top
NOREF#658  -  []  201.23 231.27 90 top
NOREF#659  -  []  249.6 223.52 90 top
NOREF#660  -  []  177.33 201.29 90 top
NOREF#661  -  []  240.94 151.63 90 top
NOREF#662  -  []  210.86 187.32 90 top
NOREF#663  -  []  218.13 274.06 0 top
NOREF#664  -  []  463.61 214.96 0 top
NOREF#665  -  []  317.98 225.04 90 top
NOREF#666  -  []  168.13 172.56 90 top
NOREF#667  -  []  106.18 160.58 90 top
NOREF#668  -  []  75.98 271.33 90 top
NOREF#669  -  []  248.96 164.72 0 top
NOREF#670  -  []  220.36 188.49 0 top
NOREF#671  -  []  230.73 193.69 0 top
NOREF#672  -  []  93.76 273.87 90 top
NOREF#673  -  []  118.7 188.08 0 top
NOREF#674  -  []  463.61 171.53 0 top
NOREF#675  -  []  376.15 192.88 90 top
NOREF#676  -  []  329.6 164.74 90 top
NOREF#677  -  []  411.26 179.7 90 top
NOREF#678  -  []  310.73 193.69 0 top
NOREF#679  -  []  417.2 163.64 0 top
NOREF#680  -  []  392.66 192.88 90 top
NOREF#681  -  []  331.54 192.73 90 top
NOREF#682  -  []  303.84 288.86 0 top
NOREF#683  -  []  339.89 288.41 90 top
NOREF#684  -  []  334.81 296.86 0 top
NOREF#685  -  []  375.22 180.15 0 top
NOREF#686  -  []  201.23 192.32 90 top
NOREF#687  -  []  106.76 215.26 0 top
NOREF#688  -  []  400.79 154.88 0 top
NOREF#689  -  []  384.36 131.89 0 top
NOREF#690  -  []  118.33 273.87 90 top
NOREF#691  -  []  275.28 290.13 90 top
NOREF#692  -  []  327.57 264.65 90 top
NOREF#693  -  []  263.83 231.63 90 top
NOREF#694  -  []  230.43 243.09 90 top
NOREF#695  -  []  406.19 188.15 0 top
NOREF#696  -  []  403.41 209.61 0 top
